# KiCad board FSKGroundStation.kicad_pcb (continued)
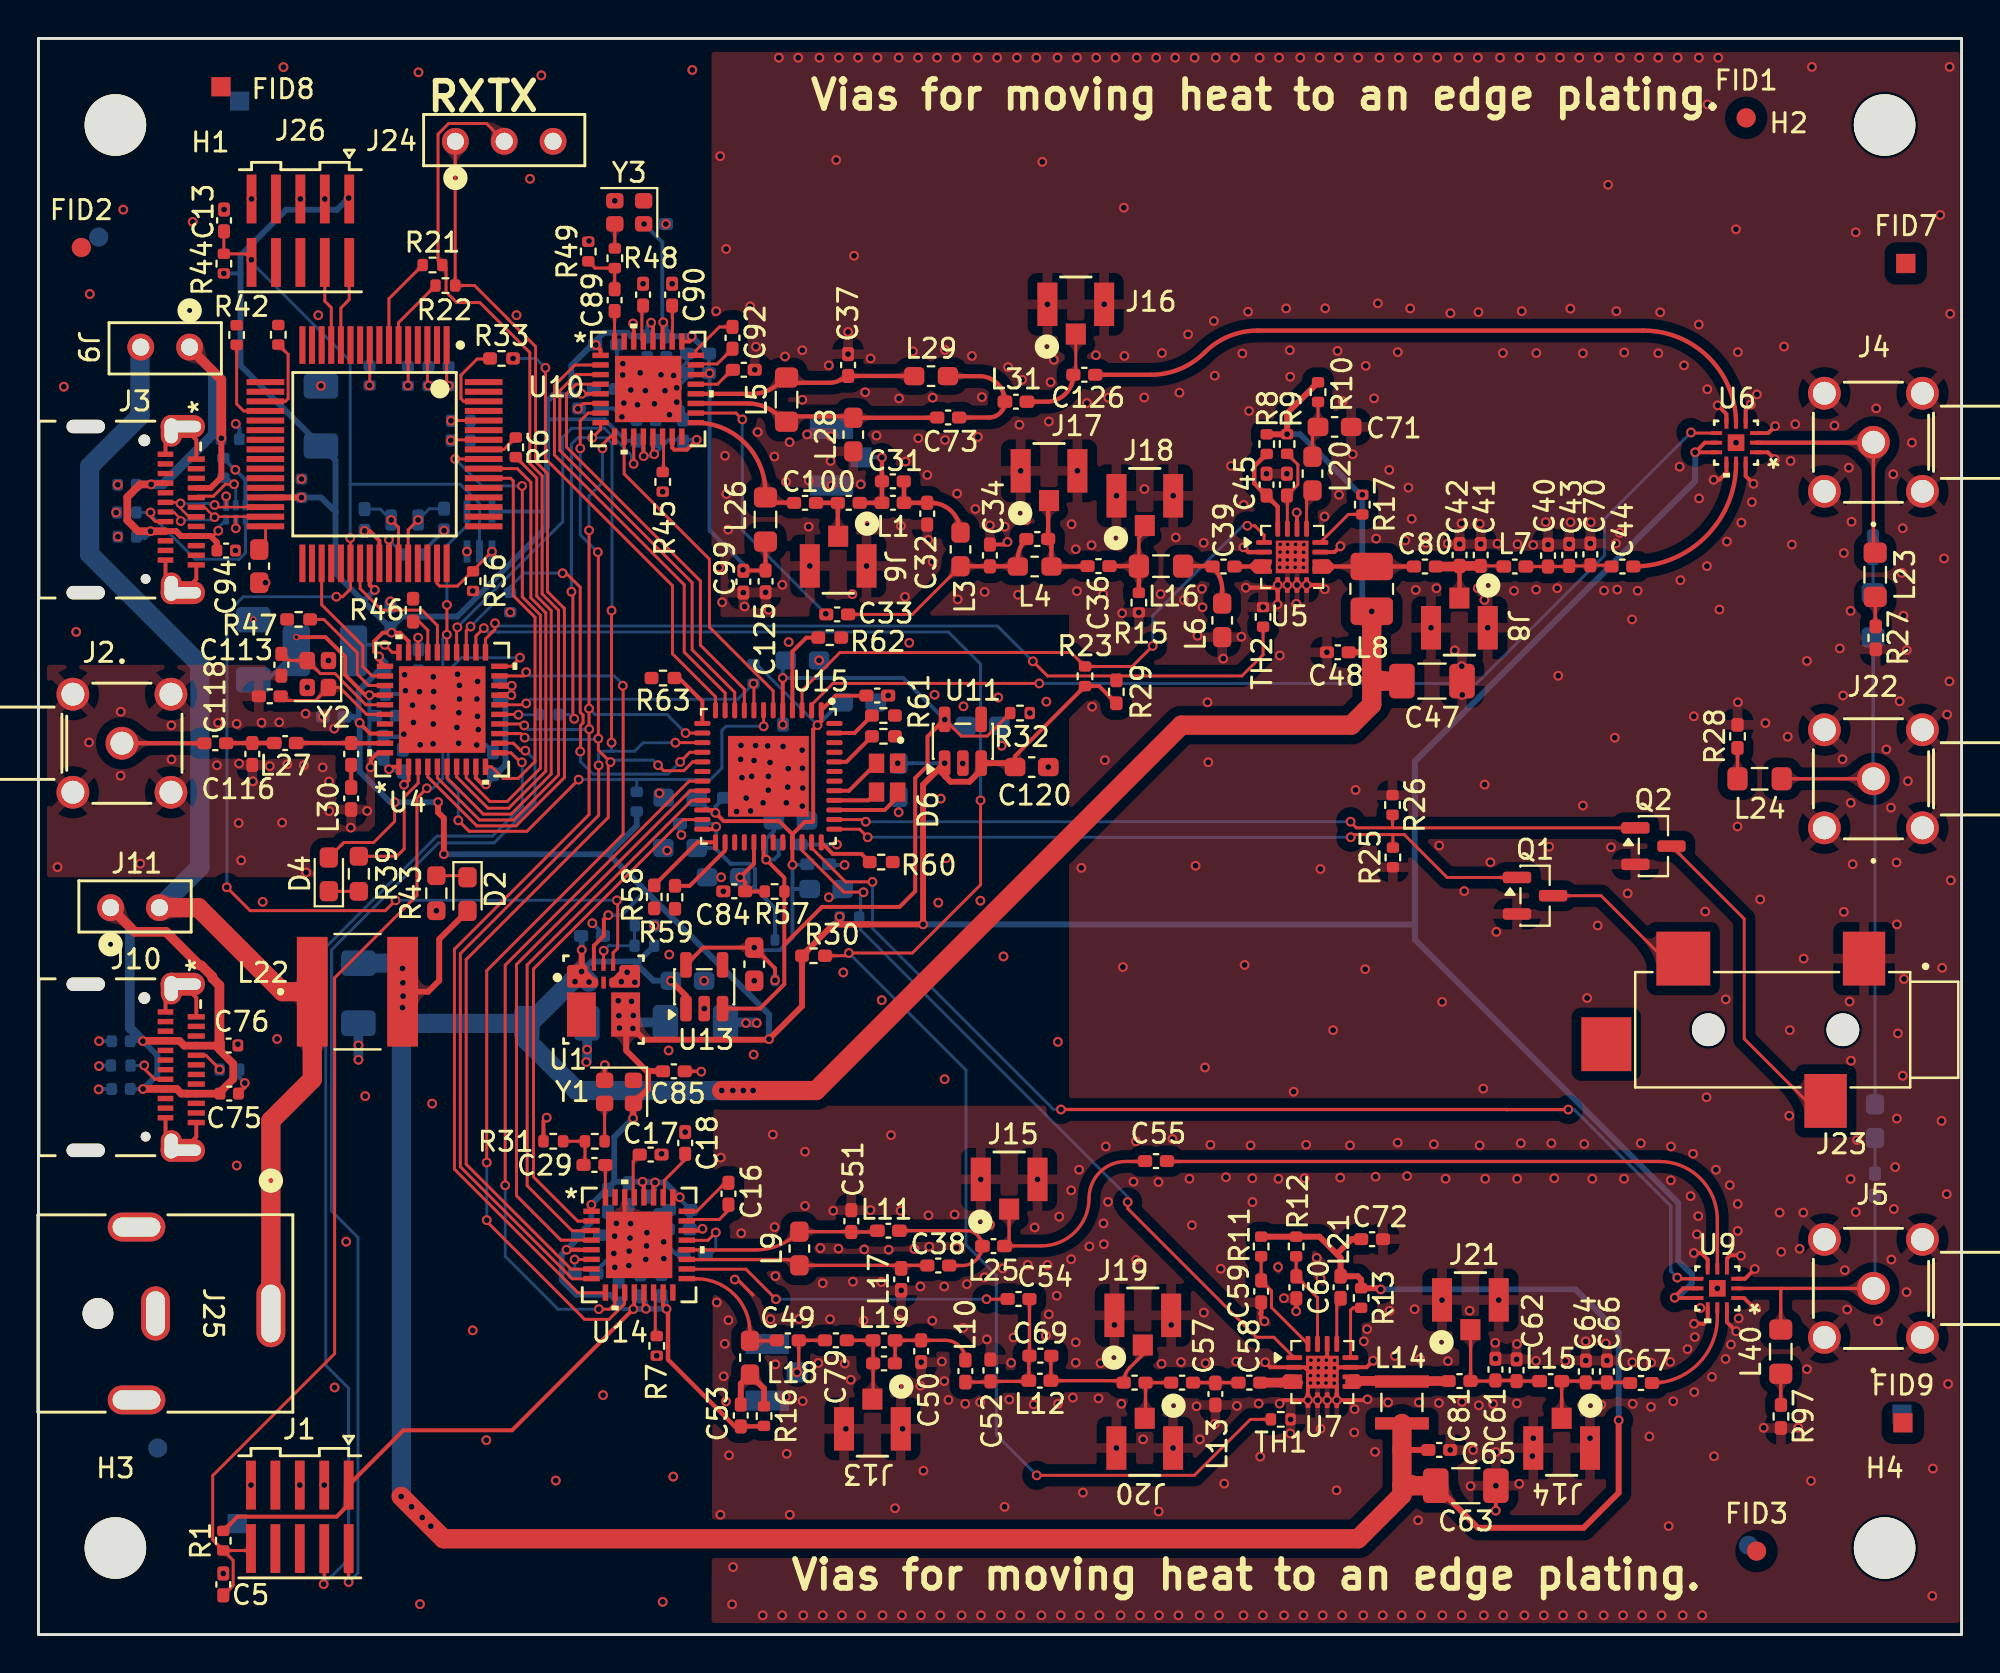
[diagram p0: board, top side]
## Routing (per net, layer and track width the routed paths; a pad name or vN(x,y) marks a point on that pad's centre or on a via; arc(x,y) is an arc through that point) (continued)
+5Vin: length 60.3
  Top Components.Cu w1: J25.1 12.08,26.72 14.24,28.87 L22.1 12.69,33.43 8.32,37.8 J11.2
  BackComponets.Cu w1: J11.2 8.39,39.9 8.39,50.45 2.66,56.18 2.66,60.75 5.28,63.37 5.28,66.37
/CPU/VDDR: length 15.7
  Top Components.Cu w0.203: v1(18.23,45) 18.36,45.13 U4.1 ; U4.34 v1(17.21,48.85) 16.99,48.85 16.04,49.8 16.04,49.82 15.95,49.91 15.95,50.84 14.92,51.87 v2(13.41,51.87) ; v1(19.01,44.19) 19.25,44.43 U4.2
  BackComponets.Cu w0.203: v1(19.01,44.19) 19.01,44.49 18.5,45 v1(18.23,45) 17.21,46.02 v1(17.21,48.85) ; 11.9,49.65 L2.1
GND: length 108.8
  Top Components.Cu w0.172: 33.66,29.29 34.44,29.29 v1(34.47,29.27) ; 37.15,17.66 36.45,18.36 arc(36.34,18.43) v1(36.21,18.46)
  Top Components.Cu w0.203: U6.12 88.77,60.25 v1(89.18,59.84) ; 67.34,13.61 67.63,13.9 U7.11 69.06,13.9 v1(69.4,14.24) ; v1(10.73,28.68) 10.73,28.46 C75.2 ; v1(65.43,58.35) 65.44,58.34 U5.14 ; v1(30.92,68.18) 30.93,68.18 30.95,68.16 U10.30 ; U9.12 87.8,16.25 v1(88.28,15.77) ; J10.A12 8.21,25.88 J10.26 ; U9.3 88.74,18.5 v1(89.25,19.01) ; v1(75.78,6.44) 75.78,7.74 ; U5.11 67.39,56.29 v1(67.7,56.6) ; Y1.2 29.44,29.6 v1(29.45,29.61) ; v1(87.32,63.92) 87.77,63.47 U6.6 ; R31.1 26.26,26.71 v1(26.43,26.88) ; 30.47,22.72 30.47,21.69 ; U9.10 86.8,16.36 86.6,16.16 v1(86.09,16.16) ; U4.40 17.64,45.85 17.28,45.49 17.28,45.11 v1(17.27,45.1) ; J3.25 8.21,62.12 J3.A1 ; v1(89.04,63.96) 88.77,63.69 U6.4 ; U7.14 67.01,14.5 66.75,14.24 ; C34.1 50.25,56.69 v1(50.39,56.82) ; J3.B1 6.61,54.71 ; 66.14,13.6 65.84,13.9 U7.2 64.05,13.9 v1(63.79,14.16) ; U3.41 17.73,56.89 17.22,57.39 v1(16.96,57.39) ; v1(89.31,16.96) 89.23,16.96 88.69,17.5 U9.1 ; 67.51,12.94 v1(67.51,12.19) 69.07,12.19 v1(69.11,12.23) ; U9.4 87.8,19.55 87.97,19.72 88.51,19.72 v1(88.53,19.7) ; U6.1 89.93,61.48 v1(90.29,61.12) ; J3.26 8.21,54.88 J3.A12 ; 66.01,12.94 v1(66.01,12.19) 64.72,12.19 v1(64.54,12.01) ; v1(87.11,60.05) 87.4,60.05 87.77,60.42 U6.10 ; J10.B1 6.61,25.7 ; U9.6 86.8,19.5 86.46,19.84 v1(86.08,19.84) ; J3.B12 6.61,62.3 ; U6.3 89.95,62.48 v1(90.31,62.84) ; J10.A1 8.21,33.12 J10.25 ; J10.B12 6.61,33.3
  Top Components.Cu w0.225: v1(65.94,54.58) 66.67,54.58 v1(66.89,54.36) ; U5.2 62.91,56.29 v1(62.66,56.54) ; 63.52,16.69 63.58,16.75 C59.1 63.58,16.46 v1(63.75,16.29) ; v1(62.78,54.44) 64.31,54.44 v1(64.44,54.58) 64.44,53.58 v1(64.43,53.57)
  Top Components.Cu w0.254: v1(65.4,16.81) 65.41,16.82 C60.1
  BackComponets.Cu w0.203: v1(3.15,30.86) 3.16,30.85 C74.2 ; C98.1 31.66,65.98 v1(31.29,65.61) ; v1(3.15,29.56) 3.18,29.59 R19.1 ; C77.2 3.15,28.37 v1(3.13,28.35) ; C14.1 33.13,19.8 v1(32.51,20.42) ; C130.1 39.96,42.84 v1(39.72,43.08) ; 39.64,41.08 v1(41.52,41.08) ; 32.59,66.2 32.37,65.98 v1(32.37,65.51) ; 43.7,48.63 43.98,48.63 v1(44.19,48.83) ; C19.1 30.17,18.9 v1(29.97,19.1) ; v1(50.09,46.22) 50.09,47.13 ; U8.3 10.76,60.05 v1(10.24,60.57) 10.22,60.57 R5.1 ; v1(31.64,20.9) 31.7,20.96 C21.1 32.15,22.08 C27.1 ; C132.1 41.39,38.34 v1(41.1,38.34) ; C101.1 33.73,65.37 v1(33.19,64.83) ; v1(33.03,65.47) 33.73,66.17 C106.1 ; v1(41.92,40.02) 41.16,40.02 ; C104.1 30.08,66.39 v1(30.39,66.09) ; v1(10.73,28.68) 10.44,28.97 R18.1 ; 31.1,63.22 31.1,63.9 v1(31.15,63.95) ; 29.02,18.92 v1(29.92,19.82) ; C24.1 31.31,19.24 v1(31.58,19.51) ; C82.1 v1(35.5,39.38) ; C93.2 10.45,62.77 v1(10.26,62.96) ; v1(30.34,63.32) 29.9,63.76 C86.1 ; v1(32.52,19.55) 32.4,19.43 C23.1 ; C20.1 29.91,20.77 v1(29.96,20.72) ; C26.1 30.69,21.47 v1(30.79,21.37) ; C22.1 32.46,21.07 31.62,20.23 v1(31.62,20.21) ; v1(30.8,64.72) 30.75,64.77 C97.1 ; 29.61,21.82 v1(30.05,21.38) ; C137.1 33.35,41.66 v1(33.43,41.58) ; v1(32.03,64) 32.09,63.94 C102.1 ; C107.1 33.52,63.76 v1(33.19,64.09) ; C139.1 v1(44.73,42.76) ; 29.35,36.44 v1(28.8,36.99) ; 19.98,56.3 v1(21.09,57.41)
  BackComponets.Cu w0.225: v1(19.08,49.08) 18.91,48.91 C3.1 ; C6.1 19.22,50.09 v1(19.04,49.91) ; C110.1 18.87,46.69 v1(19,46.82) ; C109.1 19.59,46.02 v1(19.85,46.27) ; v1(19.5,47.43) 19.15,47.78 C108.1 ; v1(22.79,46.26) 23.25,46.26 C9.1
  BackComponets.Cu w0.5: v1(28.49,29.77) 28.53,29.81 28.53,31.91 ; v1(37.35,31.8) 37.32,31.83 C12.2 ; C78.1 v1(16.64,29.89)
  vias: v1(0.99,39.91) v1(1.32,64.89) v1(1.96,52.14) v1(2.63,46.39) v1(2.67,69.71) v1(4.04,58.35) v1(4.12,59.79) v1(4.13,57.09) v1(4.28,47.99) v1(4.27,44.66) v1(4.41,74.1) v1(5.29,40.09) v1(6.91,47.28) v1(6.92,45.51) v1(8.02,73.46) v1(9.34,47.41) v1(9.28,45.2) v1(9.61,3.18) v1(9.65,74.11) v1(10.24,56.37) v1(10.31,47.36) v1(10.31,24.39) v1(10.43,45.3) v1(10.41,42.2) v1(10.37,30.7) v1(10.54,40.26) v1(11.05,7.77) v1(11.08,74.65) v1(11.15,44.37) v1(11.6,47.42) v1(11.66,38.1) v1(11.81,54.7) v1(12.03,45.16) v1(12.41,30.97) v1(12.52,47.44) v1(12.74,81.51) v1(12.67,42.22) v1(12.94,45.26) v1(13.62,74.65) v1(13.59,7.77) v1(13.68,60.09) v1(13.8,45.21) v1(13.89,47.89) v1(13.92,39.63) v1(13.98,49.25) v1(14.55,68.61) v1(14.69,64.94) v1(14.79,47.73) v1(14.78,45.09) v1(14.89,74.65) v1(14.86,7.77) v1(15.08,50.65) v1(15.11,44.36) v1(15.12,42.82) v1(15.38,47.11) v1(15.4,12.85) v1(16,20.43) v1(16.24,41.96) v1(16.64,30.64) v1(16.99,28) v1(17.09,42.83) v1(18.3,53.73) v1(19.45,48.33) v1(19.76,81.24) v1(19.81,49.03) v1(19.84,1.58) v1(20.53,49.8) v1(20.55,49.04) v1(20.52,48.23) v1(20.53,47.35) v1(20.52,46.32) v1(20.47,27.61) v1(20.69,37.64) v1(21.79,49.94) v1(21.76,47.17) v1(21.85,46.35) v1(21.89,49.36) v1(21.89,48.65) v1(21.86,47.94) v1(22.28,56.32) v1(22.58,15.82) v1(22.84,49.56) v1(22.8,48.65) v1(22.83,47.75) v1(22.87,47.06) v1(23.29,10.11) v1(24.53,53.16) v1(24.86,68.61) v1(25.56,75.7) v1(26.15,81.08) v1(26.9,8.01) v1(28.53,30.42) v1(28.63,72.47) v1(29.36,12.45) v1(29.97,74.56) v1(30.31,33.95) v1(30.38,65.5) v1(30.44,64.04) v1(30.61,34.44) v1(30.72,19.94) v1(30.7,19.19) v1(30.76,20.62) v1(31.01,33.92) v1(31.44,70.25) v1(31.56,64.68) v1(32.03,36.87) v1(32.15,14.5) v1(32.29,43.75) v1(32.4,25) v1(32.46,59.43) v1(32.46,1.7) v1(32.63,73.35) v1(32.58,64.68) v1(32.69,40.77) v1(32.81,63.43) v1(32.8,35.36) v1(32.77,30.37) v1(32.95,70.25) v1(33.01,8.21) v1(33.63,26.13) v1(34,81.36) v1(34.61,34) v1(34.62,32.55) v1(35.24,68.82) v1(35.27,17.27) v1(35.39,55.49) v1(35.45,76.88) v1(35.55,53.68) v1(35.48,24.8) v1(35.46,6.23) v1(35.61,38.65) v1(35.63,13.43) v1(35.7,61.3) v1(35.69,15.12) v1(35.76,72.05) v1(35.77,59.31) v1(35.75,12.12) v1(35.86,57.46) v1(35.88,16.35) v1(35.91,9.32) v1(36.12,3.51) v1(36.07,1.57) v1(36.3,42.8) v1(36.53,46.24) v1(36.51,45.51) v1(36.54,20.87) v1(36.58,44.56) v1(36.65,54.18) v1(36.72,53.46) v1(36.8,43.5) v1(36.79,31.8) v1(37.01,69.07) v1(37.03,42.83) v1(37.09,44.63) v1(37.25,65.77) v1(37.21,45.45) v1(37.22,34) v1(37.19,30.16) v1(37.31,66.97) v1(37.29,46.23) v1(37.4,62.53) v1(37.68,43.25) v1(37.66,1) v1(37.81,54.2) v1(37.92,46.21) v1(37.97,53.29) v1(38.04,45.35) v1(37.95,44.63) v1(37.95,43.91) v1(38.06,16.4) v1(38.19,26) v1(38.27,61.26) v1(38.28,21.19) v1(38.32,18.64) v1(38.32,14.05) v1(38.5,82) v1(38.68,54.59) v1(38.72,46.18) v1(38.67,1) v1(38.82,66.46) v1(38.87,59.95) v1(38.89,43.25) v1(38.86,12.37) v1(38.91,9.4) v1(39.01,51.61) v1(38.99,45.03) v1(38.96,44.07) v1(39.06,62.01) v1(39.07,6.23) v1(39.51,82) v1(39.55,16.41) v1(39.72,66.79) v1(39.72,64.21) v1(39.71,45.99) v1(39.73,45.05) v1(39.74,44.02) v1(39.74,12.14) v1(39.77,1) v1(39.86,25.11) v1(39.86,22.29) v1(39.97,62.41) v1(40.05,57.61) v1(40.06,60.01) v1(40.11,55.57) v1(40.55,14.12) v1(40.61,82) v1(40.59,50.66) v1(40.66,20.1) v1(40.78,18.27) v1(40.78,1) v1(41.1,66) v1(41.2,62.31) v1(41.19,61.03) v1(41.24,59.74) v1(41.16,16.4) v1(41.33,22.04) v1(41.48,76.68) v1(41.62,82) v1(41.6,20.07) v1(41.85,34.43) v1(41.78,1) v1(41.93,14.09) v1(41.98,10.7) v1(42.1,67.74) v1(42.1,66.58) v1(42.24,13.25) v1(42.33,54.1) v1(42.35,18.35) v1(42.41,71.7) v1(42.62,82) v1(42.76,59.81) v1(42.79,1) v1(42.94,20.03) v1(42.9,16.33) v1(42.99,64.6) v1(43.06,55.57) v1(43.15,57.67) v1(43.27,66.36) v1(43.26,22.07) v1(43.63,82) v1(43.58,62.35) v1(43.85,32.99) v1(43.83,18.33) v1(43.89,1) v1(44.21,20.01) v1(44.33,25.97) v1(44.54,6.57) v1(44.73,82) v1(44.71,16.39) v1(44.67,12.91) v1(44.75,64.28) v1(44.85,57.65) v1(44.83,22.04) v1(44.86,17.9) v1(44.94,10.7) v1(44.9,1) v1(45.09,61) v1(45.06,53.96) v1(45.28,51.57) v1(45.47,66.73) v1(45.55,20.05) v1(45.74,82) v1(45.75,62.21) v1(45.86,18.1) v1(45.9,14.17) v1(45.86,12.94) v1(45.89,1) v1(46.02,8.52) v1(46.22,60.3) v1(46.27,56.92) v1(46.28,21.8) v1(46.32,20.17) v1(46.5,64.32) v1(46.5,55.79) v1(46.48,16.32) v1(46.6,48.87) v1(46.73,82) v1(46.79,38.06) v1(46.92,43.47) v1(46.9,1) v1(46.98,14.2) v1(47.14,66.8) v1(47.14,62.12) v1(47.12,28.88) v1(47.1,18.1) v1(47.1,13.18) v1(47.2,40.37) v1(47.32,12.2) v1(47.64,21.84) v1(47.74,82) v1(47.74,20.11) v1(47.77,59.33) v1(47.8,53.83) v1(48,1) v1(48.1,48.27) v1(48.06,45.3) v1(48.08,15.95) v1(48.19,12) v1(48.28,18.22) v1(48.54,66.49) v1(48.72,58.53) v1(48.84,82) v1(48.85,62.28) v1(48.8,21.76) v1(48.98,38.16) v1(49,23.67) v1(48.97,12.08) v1(49.01,1) v1(49.06,64.35) v1(49.2,54.22) v1(49.2,18.58) v1(49.32,15.35) v1(49.47,57.68) v1(49.48,21.32) v1(49.85,82) v1(49.91,48.73) v1(50.04,1) v1(50.25,57.61) v1(50.18,35.26) v1(50.15,19.04) v1(50.24,6.64) v1(50.42,65.91) v1(50.48,12.22) v1(50.58,14.13) v1(50.7,15.45) v1(50.88,82) v1(50.94,54.07) v1(51.01,62.91) v1(51.05,1) v1(51.07,60.51) v1(51.15,65.25) v1(51.36,57.94) v1(51.44,19.22) v1(51.55,47.92) v1(51.8,21.17) v1(51.75,11.97) v1(51.89,82) v1(51.95,23.67) v1(52.2,76.58) v1(52.15,1) v1(52.41,48.51) v1(52.39,15.55) v1(52.46,69.17) v1(52.54,63.08) v1(52.51,45.11) v1(52.47,19.22) v1(52.54,16.65) v1(52.63,65.13) v1(52.8,66.29) v1(52.99,82) v1(53.01,30.82) v1(52.95,17.62) v1(53.02,12) v1(53.08,21.73) v1(53.16,1) v1(53.72,57.74) v1(53.7,23.1) v1(53.7,19.52) v1(53.79,12.32) v1(53.94,56.44) v1(53.94,15.2) v1(53.94,14.14) v1(54,82) v1(54.03,60.51) v1(54,54.26) v1(54.11,24.17) v1(54.23,39.87) v1(54.16,1) v1(54.31,7.38) v1(54.52,64.04) v1(54.65,20.18) v1(54.76,56.65) v1(54.79,48.25) v1(55,82) v1(54.99,66.53) v1(55.12,12.28) v1(55.23,14.11) v1(55.17,1) v1(55.42,69.17) v1(55.37,54.09) v1(55.38,21.38) v1(55.4,20.3) v1(55.45,45.47) v1(55.5,25.38) v1(55.63,64.32) v1(55.62,22.5) v1(55.95,16.1) v1(56.01,82) v1(56.05,9.7) v1(56.05,59.22) v1(56.32,56.86) v1(56.35,53.11) v1(56.31,12) v1(56.27,1) v1(56.44,74.2) v1(56.39,34.71) v1(56.47,66.49) v1(56.94,23.55) v1(57.11,82) v1(57.07,25.65) v1(57.08,19.48) v1(57.22,53.15) v1(57.28,1) v1(57.44,10.15) v1(57.5,64.33) v1(57.51,59.57) v1(58.12,82) v1(58.24,23.53) v1(58.25,6.4) v1(58.35,54.11) v1(58.27,1) v1(58.42,66.64) v1(58.4,14.08) v1(58.9,16.1) v1(59.01,59.22) v1(58.97,25.77) v1(59,9.7) v1(59.11,82) v1(59.14,57.05) v1(59.33,64.58) v1(59.28,1) v1(59.41,14.17) v1(59.56,53.8) v1(59.78,67.61) v1(59.85,23.7) v1(59.98,21.29) v1(60.12,82) v1(60.17,39.98) v1(60.22,11.87) v1(60.27,51.94) v1(60.39,10.15) v1(60.38,1) v1(60.5,54.38) v1(60.53,53.42) v1(60.59,56.77) v1(60.6,16.74) v1(60.66,29.49) v1(60.69,14.11) v1(60.79,48.48) v1(60.83,45.36) v1(60.94,25.47) v1(61.12,68.31) v1(61.22,82) v1(61.17,65.46) v1(61.17,10.96) v1(61.39,1) v1(61.48,19.02) v1(61.61,50.75) v1(61.66,7.85) v1(61.75,23.78) v1(62.01,60.77) v1(62.23,82) v1(62.28,14.2) v1(62.32,11.89) v1(62.6,66.62) v1(62.55,51.89) v1(62.67,58.74) v1(62.72,34.82) v1(62.66,1) v1(62.9,68.79) v1(62.95,63.63) v1(63.03,25.44) v1(63.12,23.73) v1(63.13,22.49) v1(63.45,12.01) v1(63.5,82) v1(63.53,9.25) v1(63.68,53.43) v1(63.67,1) v1(63.86,60.36) v1(64.51,82) v1(64.48,23.7) v1(64.46,19.11) v1(64.55,50.91) v1(64.76,17.49) v1(64.77,1) v1(64.88,68.96) v1(64.92,60.36) v1(64.94,54.58) v1(65.07,66.79) v1(65.09,65.41) v1(65.11,11.19) v1(65.09,10.46) v1(65.27,28.23) v1(65.44,54.58) v1(65.41,53.6) v1(65.61,82) v1(65.84,23.73) v1(65.78,1) v1(65.92,25.47) v1(66.47,19.59) v1(66.51,12.19) v1(66.62,82) v1(66.66,39.81) v1(66.67,18.52) v1(66.67,10.7) v1(66.78,1) v1(66.91,68.97) v1(66.88,58.14) v1(67,51.08) v1(67.01,12.19) v1(67.32,31.43) v1(67.5,7.5) v1(67.62,82) v1(67.55,66.75) v1(67.63,59.27) v1(67.69,23.76) v1(67.82,64.13) v1(67.79,1) v1(68.2,25.44) v1(68.34,61.38) v1(68.44,11.72) v1(68.42,10.51) v1(68.49,43.92) v1(68.63,82) v1(68.92,15.25) v1(68.89,1) v1(69.02,65.98) v1(68.99,34.6) v1(69.09,15.88) v1(69.45,64.29) v1(69.53,23.81) v1(69.5,9.5) v1(69.56,56.99) v1(69.73,82) v1(69.65,69.23) v1(69.9,1) v1(70.24,60.56) v1(70.18,12.07) v1(70.26,16.84) v1(70.54,14.49) v1(70.74,82) v1(70.68,66.69) v1(70.68,25.58) v1(70.89,1) v1(71.08,56.9) v1(71.24,59.64) v1(71.17,23.84) v1(71.33,68.96) v1(71.41,58.02) v1(71.62,54.32) v1(71.56,16.92) v1(71.73,82) v1(71.74,5.94) v1(71.84,14.33) v1(71.78,12.07) v1(71.9,1) v1(72.16,56.77) v1(72.41,52.36) v1(72.56,25.5) v1(72.74,82) v1(72.7,54.41) v1(72.84,41.03) v1(72.82,12.04) v1(72.99,32.9) v1(72.98,17.39) v1(73,1) v1(73.17,23.7) v1(73.29,56.73) v1(73.29,14.22) v1(73.42,68.72) v1(73.41,9.6) v1(73.65,51.18) v1(73.84,82) v1(73.9,56.71) v1(74,57.78) v1(74.01,50.36) v1(74.04,48.86) v1(74.02,12.1) v1(74.01,1) v1(74.14,38.66) v1(74.42,16.84) v1(74.47,7.72) v1(74.6,9.6) v1(74.85,82) v1(74.85,54.41) v1(74.88,68.77) v1(74.95,57.76) v1(74.94,25.44) v1(74.9,11.92) v1(75,56.71) v1(75.13,28.39) v1(75.19,53.8) v1(75.2,44.2) v1(75.23,23.7) v1(75.16,1) v1(75.36,52.36) v1(75.5,40.16) v1(75.64,11.99) v1(75.81,36.54) v1(75.75,15.17) v1(75.76,14.35) v1(75.79,9.49) v1(75.78,7.74) v1(75.87,56.73) v1(75.94,17.39) v1(76,82) v1(76.15,66.64) v1(76.17,1) v1(76.73,54.28) v1(76.91,56.7) v1(76.89,23.7) v1(76.88,15.11) v1(76.86,14.31) v1(76.88,12.02) v1(77.01,82) v1(77,7.84) v1(77.13,68.82) v1(77.08,25.55) v1(77.27,1) v1(77.73,56.66) v1(77.73,10.21) v1(77.68,9.28) v1(77.89,66.64) v1(77.88,54.34) v1(77.87,14.23) v1(78.11,82) v1(78.28,1) v1(78.38,57.85) v1(78.5,56.67) v1(78.56,40.97) v1(78.67,25.55) v1(78.82,23.73) v1(78.98,54.41) v1(79.03,49.86) v1(79.12,82) v1(79.28,1) v1(79.39,14.23) v1(79.6,56.71) v1(79.66,68.95) v1(79.67,57.85) v1(80.12,82) v1(80.31,66.63) v1(80.31,43.11) v1(80.27,11.93) v1(80.29,1) v1(80.38,25.51) v1(80.53,33.1) v1(80.45,15.25) v1(80.46,14.25) v1(80.72,57.85) v1(80.7,56.74) v1(80.68,10.21) v1(80.8,23.7) v1(81.13,82) v1(81.08,36.87) v1(81.26,11.95) v1(81.41,54.29) v1(81.39,1) v1(81.5,15.14) v1(81.62,75.39) v1(81.56,14.25) v1(81.77,40.94) v1(82.03,56.74) v1(81.97,46.64) v1(82.05,68.82) v1(82.1,54.34) v1(82.23,82) v1(82.22,57.29) v1(82.45,23.7) v1(82.4,1) v1(82.46,66.67) v1(82.64,38.54) v1(82.87,52.79) v1(82.88,14.16) v1(82.9,12) v1(83.24,82) v1(83.16,54.28) v1(83.32,25.55) v1(83.39,1) v1(83.85,11.84) v1(83.77,10.3) v1(83.86,14.14) v1(84.23,82) v1(84.23,66.63) v1(84.33,68.76) v1(84.4,1) v1(84.85,14.18) v1(84.77,5.64) v1(84.89,25.38) v1(84.88,23.62) v1(85.01,12.13) v1(85.24,82) v1(85.34,60.73) v1(85.38,54.83) v1(85.5,1) v1(85.57,66) v1(85.75,14.84) v1(85.91,22.8) v1(86.04,25) v1(86.08,47.75) v1(86.13,15.47) v1(86.1,12.61) v1(86.24,20.81) v1(86.34,82) v1(86.34,68.12) v1(86.35,59.08) v1(86.31,21.76) v1(86.42,16.98) v1(86.51,1) v1(86.67,37.6) v1(86.74,27.94) v1(86.79,79.57) v1(86.78,64.76) v1(86.76,55.56) v1(87.02,13.4) v1(87.13,9.27) v1(87.23,24.17) v1(87.35,82) v1(87.3,18) v1(87.41,53.3) v1(87.74,33.03) v1(87.73,14.33) v1(87.8,56.84) v1(87.95,23.37) v1(88.01,15.08) v1(88.27,73.08) v1(88.27,61.98) v1(88.35,42.02) v1(88.37,66.69) v1(88.37,48.48) v1(88.36,22.39) v1(88.36,20.99) v1(88.41,16.44) v1(88.55,57.82) v1(89.1,58.89) v1(89.36,64.49) v1(89.53,38.23) v1(89.71,10.75) v1(89.8,47.4) v1(90.54,21.94) v1(90.62,19.9) v1(90.77,66.98) v1(90.96,46.69) v1(91.04,26.98) v1(91.11,61.03) v1(91.07,31.43) v1(91.18,56.68) v1(91.35,62.94) v1(91.51,10.76) v1(91.58,20.06) v1(91.79,35.15) v1(91.77,21.94) v1(91.96,50.63) v1(91.96,13.8) v1(92.22,81.52) v1(92.17,7.99) v1(93.39,62.87) v1(93.67,51.28) v1(93.84,48.83) v1(93.81,45.52) v1(93.88,56.24) v1(93.88,37.58) v1(93.93,18.95) v1(94.14,60.68) v1(94.05,16.9) v1(94.23,53.23) v1(94.24,43.25) v1(94.18,32.92) v1(94.25,29.84) v1(94.23,23.69) v1(94.28,57.87) v1(94.34,40.06) v1(94.5,72.92) v1(94.5,21.97) v1(94.57,25.71) v1(95.56,63.76) v1(95.66,16.29) v1(96.09,46.03) v1(96.33,43) v1(96.35,19.5) v1(96.45,60.34) v1(96.48,22.13) v1(96.62,40.15) v1(96.64,36.93) v1(96.64,26.83) v1(96.55,24.31) v1(96.69,31.26) v1(96.78,48.53) v1(96.94,57.53) v1(96.89,55.21) v1(96.94,29.06) v1(96.98,52.98) v1(97.01,34.09) v1(97.14,17.81) v1(97.15,51.19) v1(97.21,44.38) v1(97.42,61.98) v1(98.51,8.63) v1(98.48,2.01) v1(98.89,73.82) v1(98.99,34.67) v1(98.96,26.71) v1(99.09,55.96) v1(99.25,47.84) v1(99.23,22.9) v1(99.3,13.03) v1(99.38,81.52) v1(99.41,68.68) v1(99.37,49.57) v1(99.44,39.22) v2(11.17,52.78) v2(64.57,56.69) v2(64.56,56.29) v2(64.55,55.88) v2(64.55,55.5) v2(64.95,56.29) v2(64.94,55.88) v2(64.94,55.5) v2(64.96,56.69) v2(65.35,55.88) v2(65.35,55.5) v2(65.37,56.69) v2(65.36,56.29) v2(65.8,56.68) v2(65.79,56.28) v2(65.78,55.87) v2(65.78,55.49) v2(66.17,14.27) v2(66.16,13.87) v2(66.15,13.46) v2(66.15,13.08) v2(66.54,13.46) v2(66.54,13.08) v2(66.56,14.27) v2(66.55,13.87) v2(66.95,13.46) v2(66.95,13.08) v2(66.97,14.27) v2(66.96,13.87) v2(67.4,14.26) v2(67.39,13.86) v2(67.38,13.45) v2(67.38,13.07)
2.4G_ANT: length 4.6
  Top Components.Cu w0.225: C117.2 14.85,46.36 14.85,46.36 L27.1 ; U4.39 16.27,46.35
32.768KHz: length 7.5
  Top Components.Cu w0.152: U4.26 20.75,52.47 19.95,53.27 17.85,53.27 16.73,54.39 U3.39
144_PA: length 2.9
  Top Components.Cu w0.225: C100.2 C30.1 41.57,57.13
144_PA_TEMP: length 44.7
  Top Components.Cu w0.152: v1(51.71,50.61) 52.47,49.85 62.58,49.85 63.68,50.95 TH2.1 ; U4.21 23.25,51.78 23.74,52.27 v1(23.74,52.59)
  BackComponets.Cu w0.152: v1(51.71,50.61) 49.87,52.45 23.88,52.45 v1(23.74,52.59)
144_RF_N: length 11.5
  Top Components.Cu w0.225: U10.20 37.13,64.52 arc(37.88,64.67) 38.52,65.09 41.13,65.09 arc(41.59,65.19) 41.98,65.45 ; C37.2 45.52,65.45
144_RF_P: length 12.5
  Top Components.Cu w0.225: 42.2,63.35 38.52,63.35 arc(37.77,63.84) 36.89,64.02 U10.19 ; 42.37,63.27 46.7,63.27
144_SWITCH: length 54
  Top Components.Cu w0.152: U6.7 85.96,62.48 v1(85.93,62.51) ; 40.2,48.35 41.31,49.46 v1(52.04,49.46)
  BackComponets.Cu w0.152: v1(85.93,62.51) 81.43,58.01 81.43,56.11 74.78,49.46 v1(52.04,49.46)
144_TRX_SW: length 14.5
  Top Components.Cu w0.152: v1(36.6,63.19) 36.27,63.52 U10.18
  BackComponets.Cu w0.152: v1(36.6,63.19) 36.6,57.42 v1(40.94,53.08)
144MHz_TX_ENABLE: length 30.7
  Top Components.Cu w0.152: U15.3 39.7,49.09 41.68,51.07 53.69,51.07 R23.1 56.87,50.34 v1(57.94,51.41) ; U5.1 63.73,57.14 63.75,57.16 63.25,57.66 v1(62.86,57.66)
  BackComponets.Cu w0.152: v1(62.86,57.66) 62.63,57.66 57.94,52.97 v1(57.94,51.41)
440_PA: length 3.1
  Top Components.Cu w0.172: C79.1 C49.2 39.53,13.85 arc(39.51,13.74) v1(39.44,13.63)
440_PA_TEMP: length 93.7
  Top Components.Cu w0.152: v1(48.99,43.38) 48.99,38.99 45.44,35.44 v1(42.14,35.44) 42,35.3 R30.2 ; U4.22 22.74,51.92 v1(23.16,52.34) ; TH1.1 63.02,11.19 60.11,8.28 v1(51.91,8.28)
  BackComponets.Cu w0.152: v1(51.91,8.28) 49.81,10.38 49.81,18.68 48.23,20.26 48.23,29.35 v1(42.14,35.44) ; v1(48.99,43.38) 48.99,50.46 47.32,52.13 23.93,52.13 23.93,52.13 23.55,52.13 23.55,52.13 23.36,52.13 v1(23.16,52.34)
440_RX_N: length 10
  Top Components.Cu w0.172: C51.2 43.46,20.93 ; 42.23,20.95 L9.2 arc(38.52,20.25) 37.27,20 33.7,20
440_RX_P: length 12.6
  Top Components.Cu w0.172: 33.7,19.5 38.84,19.5 arc(39.24,19.42) L9.1 46.21,19.2
440_SWITCH: length 58.7
  Top Components.Cu w0.152: v1(43.37,39.14) 41.97,39.14 40.2,40.91 ; U9.7 85.8,18.5
  Top Components.Cu w0.172: v1(85.22,18.56) 85.28,18.5 85.8,18.5 ; v1(79.55,27.3) 76.34,27.3 76.34,27.3 v1(53.17,27.3)
  BackComponets.Cu w0.152: v1(43.37,39.14) 43.37,36.73 52.8,27.3 53.13,27.3
  BackComponets.Cu w0.172: v1(79.55,27.3) 79.86,27.3 84.88,22.28 84.88,18.9 v1(85.22,18.56)
440_TRX_SW: length 17.3
  Top Components.Cu w0.152: 33.7,19 36.79,19 v1(38.35,17.44) ; v1(49.3,17.44) 50.39,17.44
  BackComponets.Cu w0.152: v1(49.3,17.44) v1(38.35,17.44)
440MHz_TX_ENABLE: length 38.7
  Top Components.Cu w0.152: v1(56.64,22.49) 56.64,22.15 63.33,15.46 64.24,15.46 U7.1 ; U15.34 39.7,40.78 41.87,38.61 42.89,38.61 v1(42.9,38.6)
  BackComponets.Cu w0.152: v1(42.9,38.6) 42.74,38.44 42.74,36.66 56.64,22.76 v1(56.64,22.49)
/144MHz/144_RX: length 36.7
  Top Components.Cu w0.225: C126.2 57.84,65.51 arc(59.36,65.81) 60.64,66.67 arc(61.9,67.51) 63.39,67.81 83.46,67.81 arc(86.86,66.4) U6.5
/144MHz/144_TX: length 8.5
  Top Components.Cu w0.225: U6.11 88.27,60.88 arc(86.71,57.1) C44.2
/440MHz/440_RX: length 32.9
  Top Components.Cu w0.172: U9.5 87.3,21.59 arc(86.42,23.72) 84.29,24.6 58.66,24.6
/440MHz/440_TX: length 5.8
  Top Components.Cu w0.172: U9.11 87.3,16.48 arc(86.3,14.08) C67.2
/CPU/CPU_RESET2_N: length 64.9
  Top Components.Cu w0.152: R1.1 10.95,4.37 ; R1.1 9.06,4.92 9.06,8.26 15.4,14.6 15.4,34.15 19.68,38.43 19.68,43.49 v1(20.19,44) ; R1.1 10.12,3.86 10.12,2.55 C5.2 ; 21.23,51.09 v1(21.23,52) 21.24,52 v1(21.24,53.54)
  BackComponets.Cu w0.152: U12.4 22.28,57.66 21.24,56.62 v1(21.24,53.54) ; v1(20.19,44) 20.2,44.01 20.51,44.01 21.02,44.52 21.02,51.79 21.03,51.79 v1(21.23,52)
/FPGA/FPGA_2.5V: length 10.5
  Top Components.Cu w0.203: U15.24 35.11,41.88 v1(35.24,42.01)
  BackComponets.Cu w0.152: 35.18,42.07 v1(35.24,42.01)
  BackComponets.Cu w0.203: 35.24,40.93 35.21,40.9 C138.2 ; 35.24,40.93 35.24,40.83 35.99,40.08 35.99,40.08 36.99,40.08 37.26,39.82 37.26,38.94 37.19,38.88 38.3,37.77 D1.1 ; 35.24,40.93 v1(35.24,42.01) 35.09,42.16 C137.2
/FPGA/FPGA_3.3V: length 39.1
  Top Components.Cu w0.203: v1(39.21,40.03) 39.2,40.03 U15.33 39.2,41.61 ; 43.05,48.63 42.86,48.82 41.46,48.82 U15.1 40.7,47.48 v1(40.51,47.29) 40.28,47.06 40.28,42.3 40.24,42.26 39.85,42.26 39.2,41.61 ; 39.2,41.61 38.52,42.3 35.63,42.3 v1(35.2,42.73) 35.05,42.88 U15.22 ; v1(38.3,34.02) 38.3,34.64 v1(37.22,35.72) 34.57,35.72 U13.5
  BackComponets.Cu w0.152: v1(40.51,47.29) 37.33,50.47
  BackComponets.Cu w0.203: C132.2 39.27,38.77 39.21,38.83 ; 39.21,38.83 v1(39.21,40.03) 39.95,40.03 ; 39.21,38.83 39.21,36.24 38.56,35.59 37.35,35.59 v1(37.22,35.72) ; C134.2 35.02,42.73 v1(35.2,42.73) 35.2,43.06 C133.2 ; 41.69,48.47 v1(40.51,47.29)
/FPGA/FPGA_VCC: length 50.6
  Top Components.Cu w0.152: v1(47.13,47.58) 47.99,46.72 49.33,46.72 R32.2
  Top Components.Cu w0.203: U15.30 37.7,40.44 v1(37.84,40.3) 38.78,39.36 38.78,35.88 ; U13.3 37.51,32.55 38.78,33.82 38.78,35.88 ; 38.78,35.88 40.74,37.84 44.78,37.84 45.59,38.65 45.59,44.54 46.23,45.18 46.23,46.7 U11.5 ; v1(38.7,47.31) U15.5 38.7,49 v1(38.7,49.74)
  BackComponets.Cu w0.203: C130.2 38.24,41.77 37.84,41.37 v1(37.84,40.3) 38.25,40.3 38.5,40.55 C128.2 ; 38.7,50.5 v1(38.7,49.74) 44.97,49.74 v1(47.13,47.58) 47.45,47.26 C119.2
/USB/USB+: length 7.2
  Top Components.Cu w0.127: v1(10.26,57.53) 10.26,58.11 10.28,58.13 ; 10.28,58.13 11.18,58.13 ; 10.28,58.13 9.19,58.13 v1(9.16,58.1) 8.64,58.63 J3.A6 ; 7.39,58.02 7.03,58.38 J3.B6
  BackComponets.Cu w0.127: 8.94,57.97 8.93,57.96 8.8,57.96 ; 8.8,57.96 8.97,57.96 9.03,58.02 9.08,58.02 v1(9.16,58.1) ; 8.8,57.96 7.45,57.96 7.4,57.91 v1(7.4,57.9) ; v1(10.26,57.53) U8.5